# KiCad board IO-SDR_Rev_1.0.kicad_pcb
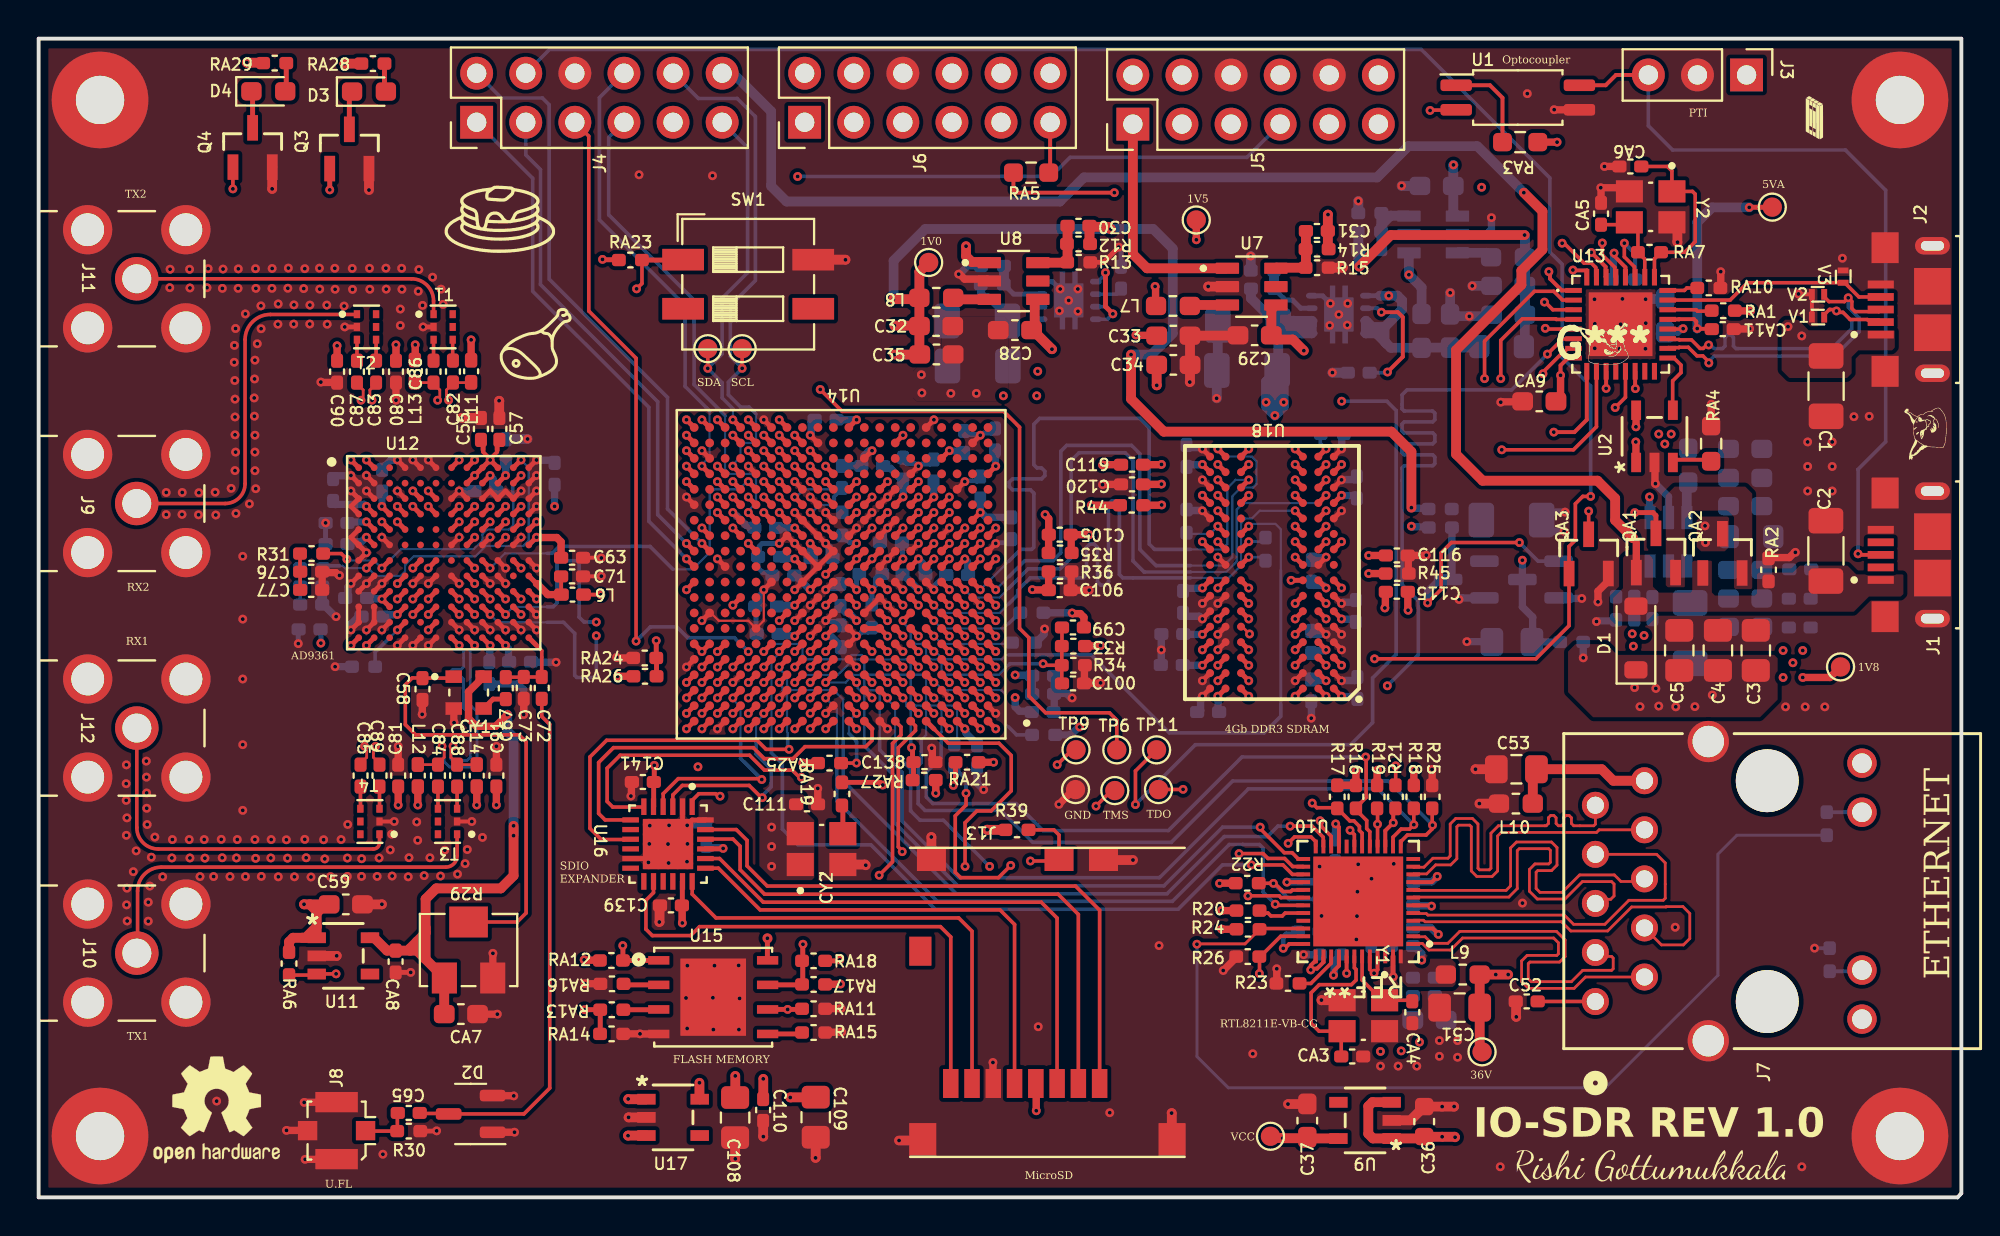
[diagram p0: board, top side]
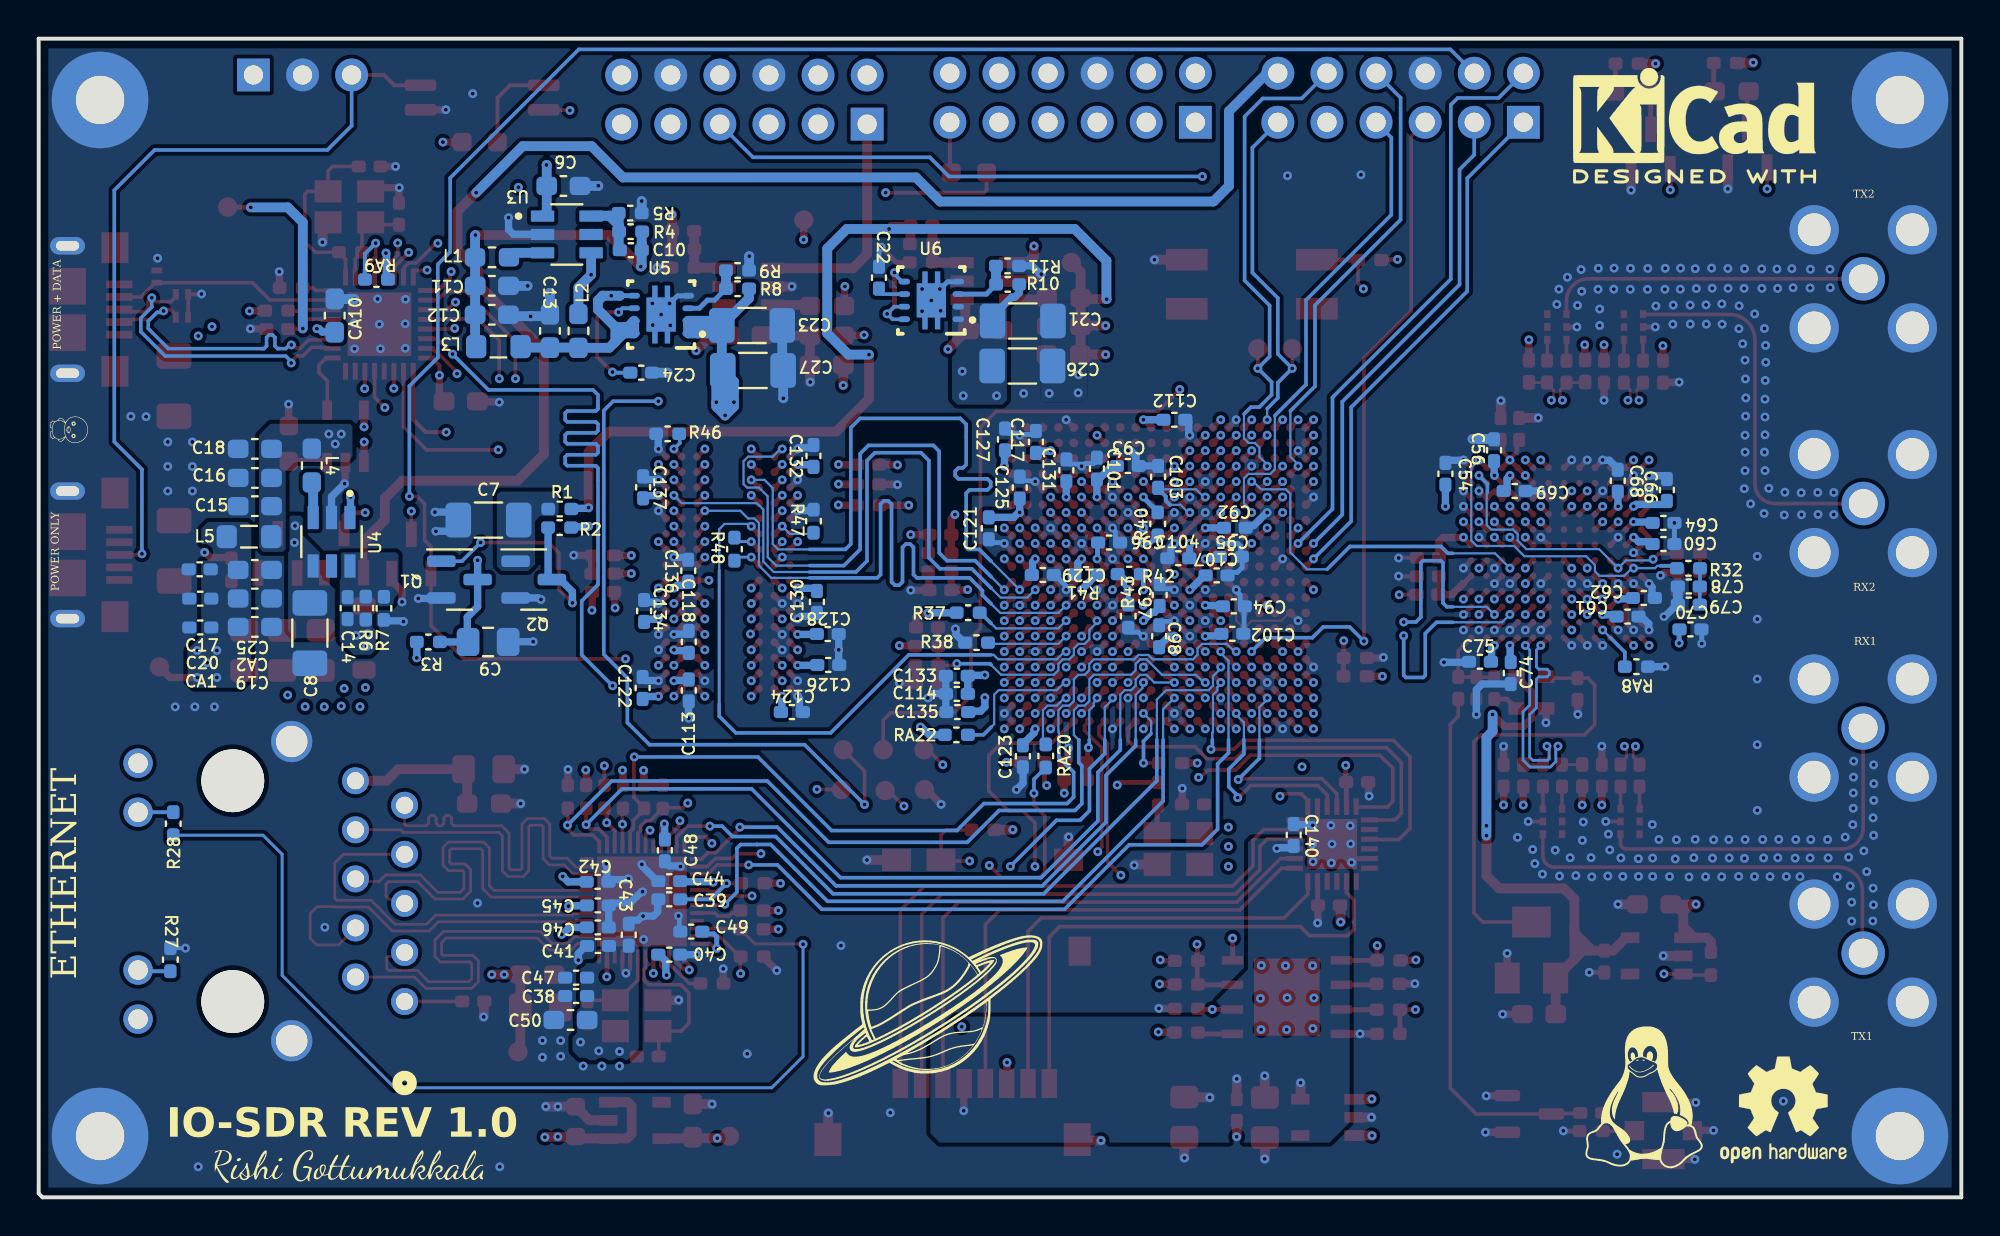
[diagram p1: board, bottom side, seen from below]

Outline 99.46 x 59.98 mm; copper layers: Top.Cu, In1.GND1.Cu, In2_Sig1.Cu, In3_PWR1.Cu, In4PWR2.Cu, In5_Sig2.Cu, In6_GND2.Cu, Bottom.Cu. Coordinates in mm from the lower left corner of the outline.
Outline path: 0,0 0,59.98 99.46,59.98 99.46,0.21 99.27,0 0,0
Stack: Top.Cu 0.0351mm / dielectric 0.1163mm FR4 er 4.1 / In1.GND1.Cu 0.0152mm / dielectric 0.3mm FR4 er 4.6 / In2_Sig1.Cu 0.0152mm / dielectric 0.0765mm FR4 er 4.1 / dielectric 0.0765mm FR4 er 4.5 / In3_PWR1.Cu 0.0152mm / dielectric 0.3mm FR4 er 4.6 / In4PWR2.Cu 0.0152mm / dielectric 0.0765mm FR4 er 4.1 / dielectric 0.0765mm FR4 er 4.5 / In5_Sig2.Cu 0.0152mm / dielectric 0.3mm FR4 er 4.5 / In6_GND2.Cu 0.0152mm / dielectric 0.1163mm FR4 er 4.5 / Bottom.Cu 0.0351mm

## Placement (name value [footprint] x y rotation side)
C1  22uF  [C_1206_3216Metric_Pad1.33x1.80mm_HandSolder]  92.46 41.99 270 top
C2  22uF  [C_1206_3216Metric_Pad1.33x1.80mm_HandSolder]  92.45 33.46 90 top
C3  100uF  [C_0805_2012Metric_Pad1.18x1.45mm_HandSolder]  88.83 28.31 90 top
C4  22uF  [C_0805_2012Metric_Pad1.18x1.45mm_HandSolder]  86.87 28.31 90 top
C5  10uF  [C_0805_2012Metric_Pad1.18x1.45mm_HandSolder]  84.87 28.31 90 top
C6  10uF  [C_0603_1608Metric_Pad1.08x0.95mm_HandSolder]  72.31 52.35 180 bottom
C7  10uF  [C_1206_3216Metric_Pad1.33x1.80mm_HandSolder]  76.19 35.06 0 bottom
C8  10uF  [C_1206_3216Metric_Pad1.33x1.80mm_HandSolder]  85.43 29.21 270 bottom
C9  1uF  [C_0805_2012Metric_Pad1.18x1.45mm_HandSolder]  76.21 28.75 180 bottom
C10  100pF  [C_0402_1005Metric_Pad0.74x0.62mm_HandSolder]  68.83 49.03 0 bottom
C11  10uF  [C_0603_1608Metric_Pad1.08x0.95mm_HandSolder]  76.02 47.18 180 bottom
C12  10uF  [C_0603_1608Metric_Pad1.08x0.95mm_HandSolder]  76.02 45.69 180 bottom
C13  10uF  [C_0603_1608Metric_Pad1.08x0.95mm_HandSolder]  73.01 44.85 90 bottom
C14  100pF  [C_0402_1005Metric_Pad0.74x0.62mm_HandSolder]  83.48 30.5 90 bottom
C15  10uF  [C_0603_1608Metric_Pad1.08x0.95mm_HandSolder]  88.28 35.78 0 bottom
C16  10uF  [C_0603_1608Metric_Pad1.08x0.95mm_HandSolder]  88.28 37.24 0 bottom
C17  0.1uF  [C_0402_1005Metric_Pad0.74x0.62mm_HandSolder]  91.13 32.51 0 bottom
C18  10uF  [C_0603_1608Metric_Pad1.08x0.95mm_HandSolder]  88.28 38.74 0 bottom
C19  10uF  [C_0603_1608Metric_Pad1.08x0.95mm_HandSolder]  88.28 29.53 180 bottom
C20  0.1uF  [C_0402_1005Metric_Pad0.74x0.62mm_HandSolder]  91.1 29.5 0 bottom
C21  47uF  [C_1206_3216Metric_Pad1.33x1.80mm_HandSolder]  48.55 45.36 180 bottom
C22  10nF  [C_0402_1005Metric_Pad0.74x0.62mm_HandSolder]  55.99 47.6 90 bottom
C23  47uF  [C_1206_3216Metric_Pad1.33x1.80mm_HandSolder]  62.56 45.13 180 bottom
C24  10nF  [C_0402_1005Metric_Pad0.74x0.62mm_HandSolder]  68.29 42.69 180 bottom
C25  10uF  [C_0603_1608Metric_Pad1.08x0.95mm_HandSolder]  88.28 32.48 180 bottom
C26  47uF  [C_1206_3216Metric_Pad1.33x1.80mm_HandSolder]  48.57 43.03 180 bottom
C27  47uF  [C_1206_3216Metric_Pad1.33x1.80mm_HandSolder]  62.51 42.8 180 bottom
C28  10uF  [C_0603_1608Metric_Pad1.08x0.95mm_HandSolder]  50.5 44.89 180 top
C29  10uF  [C_0603_1608Metric_Pad1.08x0.95mm_HandSolder]  62.9 44.62 180 top
C30  100pF  [C_0402_1005Metric_Pad0.74x0.62mm_HandSolder]  53.79 50.29 180 top
C31  100pF  [C_0402_1005Metric_Pad0.74x0.62mm_HandSolder]  66.12 50.02 180 top
C32  10uF  [C_0603_1608Metric_Pad1.08x0.95mm_HandSolder]  46.42 45.1 0 top
C33  10uF  [C_0603_1608Metric_Pad1.08x0.95mm_HandSolder]  58.7 44.6 0 top
C34  10uF  [C_0603_1608Metric_Pad1.08x0.95mm_HandSolder]  58.7 43.09 0 top
C35  10uF  [C_0603_1608Metric_Pad1.08x0.95mm_HandSolder]  46.44 43.63 0 top
C36  10uF  [C_0603_1608Metric]  71.67 3.92 90 top
C37  4.7uF  [C_0603_1608Metric_Pad1.08x0.95mm_HandSolder]  65.63 3.97 90 top
C38  0.1uF  [C_0402_1005Metric_Pad0.74x0.62mm_HandSolder]  71.66 10.42 0 bottom
C39  100nF  [C_0402_1005Metric_Pad0.74x0.62mm_HandSolder]  66.84 15.43 0 bottom
C40  0.1uF  [C_0402_1005Metric_Pad0.74x0.62mm_HandSolder]  66.84 12.56 180 bottom
C41  0.1uF  [C_0402_1005Metric_Pad0.74x0.62mm_HandSolder]  70.53 13.01 0 bottom
C42  0.1uF  [C_0402_1005Metric_Pad0.74x0.62mm_HandSolder]  70.55 16.33 180 bottom
C43  0.1uF  [C_0402_1005Metric_Pad0.74x0.62mm_HandSolder]  68.94 13.59 90 bottom
C44  0.1uF  [C_0402_1005Metric_Pad0.74x0.62mm_HandSolder]  66.84 16.37 0 bottom
C45  0.1uF  [C_0402_1005Metric_Pad0.74x0.62mm_HandSolder]  70.54 15.11 180 bottom
C46  0.1uF  [C_0402_1005Metric_Pad0.74x0.62mm_HandSolder]  70.54 13.97 180 bottom
C47  0.1uF  [C_0402_1005Metric_Pad0.74x0.62mm_HandSolder]  71.66 11.37 0 bottom
C48  0.1uF  [C_0402_1005Metric_Pad0.74x0.62mm_HandSolder]  67.07 17.96 270 bottom
C49  0.1uF  [C_0402_1005Metric_Pad0.74x0.62mm_HandSolder]  65.7 13.75 0 bottom
C50  4.7uF  [C_0603_1608Metric_Pad1.08x0.95mm_HandSolder]  71.95 9.18 0 bottom
C51  10uF  [C_0805_2012Metric_Pad1.18x1.45mm_HandSolder]  73.51 9.82 180 top
C52  10nF  [C_0402_1005Metric_Pad0.74x0.62mm_HandSolder]  76.98 10.14 0 top
C53  0.1uF  [C_0805_2012Metric_Pad1.18x1.45mm_HandSolder]  76.44 22.16 0 top
C54  10nF  [C_0402_1005Metric_Pad0.74x0.62mm_HandSolder]  26.69 37.45 90 bottom
C55  10nF  [C_0402_1005Metric_Pad0.74x0.62mm_HandSolder]  22.88 39.78 90 top
C56  1uF  [C_0402_1005Metric_Pad0.74x0.62mm_HandSolder]  24.17 38.67 90 bottom
C57  1uF  [C_0402_1005Metric_Pad0.74x0.62mm_HandSolder]  23.83 39.78 90 top
C58  1uF  [C_0402_1005Metric_Pad0.74x0.62mm_HandSolder]  19.85 26.31 270 top
C59  10uF  [C_0603_1608Metric_Pad1.08x0.95mm_HandSolder]  15.89 15.17 0 top
C60  10nF  [C_0402_1005Metric_Pad0.74x0.62mm_HandSolder]  15.41 33.82 180 bottom
C61  10nF  [C_0402_1005Metric_Pad0.74x0.62mm_HandSolder]  17.27 30.06 180 bottom
C62  1uF  [C_0402_1005Metric_Pad0.74x0.62mm_HandSolder]  16.43 31.03 180 bottom
C63  1uF  [C_0402_1005Metric_Pad0.74x0.62mm_HandSolder]  27.59 33.11 0 top
C64  10nF  [C_0402_1005Metric_Pad0.74x0.62mm_HandSolder]  15.41 34.91 180 bottom
C65  18pF  [C_0402_1005Metric_Pad0.74x0.62mm_HandSolder]  19.14 4.37 180 top
C66  10nF  [C_0402_1005Metric_Pad0.74x0.62mm_HandSolder]  15.23 36.61 90 bottom
C67  18pF  [C_0402_1005Metric_Pad0.74x0.62mm_HandSolder]  24.16 26.36 90 top
C68  1uF  [C_0402_1005Metric_Pad0.74x0.62mm_HandSolder]  17.77 37.1 90 bottom
C69  10nF  [C_0402_1005Metric_Pad0.74x0.62mm_HandSolder]  23.11 36.56 180 bottom
C70  1uF  [C_0402_1005Metric_Pad0.74x0.62mm_HandSolder]  14.01 29.4 180 bottom
C71  10nF  [C_0402_1005Metric_Pad0.74x0.62mm_HandSolder]  27.59 32.14 0 top
C72  18pF  [C_0402_1005Metric_Pad0.74x0.62mm_HandSolder]  26.02 26.37 270 top
C73  18pF  [C_0402_1005Metric_Pad0.74x0.62mm_HandSolder]  25.09 26.37 270 top
C74  10nF  [C_0402_1005Metric_Pad0.74x0.62mm_HandSolder]  23.31 27.14 270 bottom
C75  10nF  [C_0402_1005Metric_Pad0.74x0.62mm_HandSolder]  24.9 27.72 0 bottom
C76  1nF  [C_0402_1005Metric_Pad0.74x0.62mm_HandSolder]  14.1 32.38 180 top
C77  1nF  [C_0402_1005Metric_Pad0.74x0.62mm_HandSolder]  14.1 31.44 180 top
C78  1nF  [C_0402_1005Metric_Pad0.74x0.62mm_HandSolder]  14.1 31.62 180 bottom
C79  1nF  [C_0402_1005Metric_Pad0.74x0.62mm_HandSolder]  14.1 30.68 180 bottom
C80  100nF  [C_0402_1005Metric_Pad0.74x0.62mm_HandSolder]  18.48 42.74 270 top
C81  100nF  [C_0402_1005Metric_Pad0.74x0.62mm_HandSolder]  18.6 21.83 90 top
C82  18pF  [C_0402_1005Metric_Pad0.74x0.62mm_HandSolder]  21.43 42.75 90 top
C83  18pF  [C_0402_1005Metric_Pad0.74x0.62mm_HandSolder]  17.46 42.74 90 top
C84  18pF  [C_0402_1005Metric_Pad0.74x0.62mm_HandSolder]  20.66 21.83 270 top
C85  18pF  [C_0402_1005Metric_Pad0.74x0.62mm_HandSolder]  16.65 21.83 270 top
C86  18pF  [C_0402_1005Metric_Pad0.74x0.62mm_HandSolder]  20.43 42.74 90 top
C87  18pF  [C_0402_1005Metric_Pad0.74x0.62mm_HandSolder]  16.47 42.74 90 top
C88  18pF  [C_0402_1005Metric_Pad0.74x0.62mm_HandSolder]  21.65 21.83 270 top
C89  18pF  [C_0402_1005Metric_Pad0.74x0.62mm_HandSolder]  17.63 21.83 270 top
C90  100nF  [C_0402_1005Metric_Pad0.74x0.62mm_HandSolder]  15.44 42.74 270 top
C91  100nF  [C_0402_1005Metric_Pad0.74x0.62mm_HandSolder]  23.68 21.83 90 top
C92  0.1uF  [C_0402_1005Metric_Pad0.74x0.62mm_HandSolder]  37.59 34.66 180 bottom
C93  0.1uF  [C_0402_1005Metric_Pad0.74x0.62mm_HandSolder]  43.12 37.86 180 bottom
C94  10uF  [C_0402_1005Metric_Pad0.74x0.62mm_HandSolder]  37.64 30.59 180 bottom
C95  10uF  [C_0402_1005Metric_Pad0.74x0.62mm_HandSolder]  37.79 33.16 180 bottom
C96  10uF  [C_0402_1005Metric_Pad0.74x0.62mm_HandSolder]  44.09 33.9 180 bottom
C97  0.1uF  [C_0402_1005Metric_Pad0.74x0.62mm_HandSolder]  41.47 31.18 90 bottom
C98  0.1uF  [C_0402_1005Metric_Pad0.74x0.62mm_HandSolder]  41.5 29.05 90 bottom
C99  100nF  [C_0402_1005Metric_Pad0.74x0.62mm_HandSolder]  53.5 29.5 180 top
C100  100nF  [C_0402_1005Metric_Pad0.74x0.62mm_HandSolder]  53.5 26.6 0 top
C101  0.1uF  [C_0402_1005Metric_Pad0.74x0.62mm_HandSolder]  44.72 37.72 90 bottom
C102  0.1uF  [C_0402_1005Metric_Pad0.74x0.62mm_HandSolder]  37.71 29.17 180 bottom
C103  0.1uF  [C_0402_1005Metric_Pad0.74x0.62mm_HandSolder]  41.55 37.3 90 bottom
C104  0.1uF  [C_0402_1005Metric_Pad0.74x0.62mm_HandSolder]  40.51 33.08 0 bottom
C105  100nF  [C_0402_1005Metric_Pad0.74x0.62mm_HandSolder]  52.82 34.3 180 top
C106  100nF  [C_0402_1005Metric_Pad0.74x0.62mm_HandSolder]  52.82 31.43 0 top
C107  0.1uF  [C_0402_1005Metric_Pad0.74x0.62mm_HandSolder]  38.52 32.19 180 bottom
C108  10uF  [C_0805_2012Metric_Pad1.18x1.45mm_HandSolder]  36.03 4.13 270 top
C109  10uF  [C_0805_2012Metric_Pad1.18x1.45mm_HandSolder]  40.2 4.15 270 top
C110  100nF  [C_0402_1005Metric_Pad0.74x0.62mm_HandSolder]  37.48 4.52 270 top
C111  1uF  [C_0402_1005Metric_Pad0.74x0.62mm_HandSolder]  39.75 20.34 0 top
C112  1uF  [C_0402_1005Metric_Pad0.74x0.62mm_HandSolder]  40.71 40.25 180 bottom
C113  10uF  [C_0402_1005Metric_Pad0.74x0.62mm_HandSolder]  65.83 26.24 270 bottom
C114  1uF  [C_0402_1005Metric_Pad0.74x0.62mm_HandSolder]  51.96 26.06 0 bottom
C115  100nF  [C_0402_1005Metric_Pad0.74x0.62mm_HandSolder]  70.26 31.35 180 top
C116  100nF  [C_0402_1005Metric_Pad0.74x0.62mm_HandSolder]  70.26 33.23 0 top
C117  10nF  [C_0402_1005Metric_Pad0.74x0.62mm_HandSolder]  47.87 39.1 90 bottom
C118  1uF  [C_0402_1005Metric_Pad0.74x0.62mm_HandSolder]  65.83 28.75 90 bottom
C119  100pF  [C_0402_1005Metric_Pad0.74x0.62mm_HandSolder]  56.56 37.93 0 top
C120  100pF  [C_0402_1005Metric_Pad0.74x0.62mm_HandSolder]  56.56 36.91 180 top
C121  10nF  [C_0402_1005Metric_Pad0.74x0.62mm_HandSolder]  50.31 34.63 270 bottom
C122  10nF  [C_0402_1005Metric_Pad0.74x0.62mm_HandSolder]  68.22 26.37 90 bottom
C123  10nF  [C_0402_1005Metric_Pad0.74x0.62mm_HandSolder]  48.55 22.83 270 bottom
C124  10nF  [C_0402_1005Metric_Pad0.74x0.62mm_HandSolder]  60.5 25.12 180 bottom
C125  10nF  [C_0402_1005Metric_Pad0.74x0.62mm_HandSolder]  48.71 36.74 90 bottom
C126  10nF  [C_0402_1005Metric_Pad0.74x0.62mm_HandSolder]  58.62 27.56 180 bottom
C127  10nF  [C_0402_1005Metric_Pad0.74x0.62mm_HandSolder]  49.47 39.23 90 bottom
C128  10nF  [C_0402_1005Metric_Pad0.74x0.62mm_HandSolder]  58.64 29.16 180 bottom
C129  10nF  [C_0402_1005Metric_Pad0.74x0.62mm_HandSolder]  47.52 32.22 180 bottom
C130  10nF  [C_0402_1005Metric_Pad0.74x0.62mm_HandSolder]  59.2 30.82 270 bottom
C131  10nF  [C_0402_1005Metric_Pad0.74x0.62mm_HandSolder]  46.3 37.63 90 bottom
C132  10nF  [C_0402_1005Metric_Pad0.74x0.62mm_HandSolder]  59.38 38.38 90 bottom
C133  10nF  [C_0402_1005Metric_Pad0.74x0.62mm_HandSolder]  51.96 27 0 bottom
C134  10nF  [C_0402_1005Metric_Pad0.74x0.62mm_HandSolder]  68.14 30.35 90 bottom
C135  10uF  [C_0402_1005Metric_Pad0.74x0.62mm_HandSolder]  51.94 25.12 0 bottom
C136  10nF  [C_0402_1005Metric_Pad0.74x0.62mm_HandSolder]  65.86 32.44 90 bottom
C137  10nF  [C_0402_1005Metric_Pad0.74x0.62mm_HandSolder]  68.19 36.75 90 bottom
C138  0.1uF  [C_0402_1005Metric_Pad0.74x0.62mm_HandSolder]  45.82 22.53 0 top
C139  100nF  [C_0402_1005Metric_Pad0.74x0.62mm_HandSolder]  32.71 15.11 180 top
C140  100nF  [C_0402_1005Metric_Pad0.74x0.62mm_HandSolder]  34.54 18.76 90 bottom
C141  100nF  [C_0402_1005Metric_Pad0.74x0.62mm_HandSolder]  31.26 21.5 180 top
CA1  0.1uF  [C_0402_1005Metric_Pad0.74x0.62mm_HandSolder]  91.1 30.99 0 bottom
CA2  10uF  [C_0603_1608Metric_Pad1.08x0.95mm_HandSolder]  88.28 31 180 bottom
CA3  12pF  [C_0402_1005Metric_Pad0.74x0.62mm_HandSolder]  67.95 7.29 0 top
CA4  12pF  [C_0402_1005Metric_Pad0.74x0.62mm_HandSolder]  71.06 9.58 270 top
CA5  18pF  [C_0402_1005Metric_Pad0.74x0.62mm_HandSolder]  80.82 50.92 90 top
CA6  18pF  [C_0402_1005Metric_Pad0.74x0.62mm_HandSolder]  82.34 53.36 180 top
CA7  10uF  [C_0603_1608Metric_Pad1.08x0.95mm_HandSolder]  21.84 9.49 0 top
CA8  0.1uF  [C_0402_1005Metric_Pad0.74x0.62mm_HandSolder]  18.46 12.21 270 top
CA9  10uF  [C_0603_1608Metric_Pad1.08x0.95mm_HandSolder]  77.63 41.2 0 top
CA10  4.7uF  [C_0603_1608Metric_Pad1.08x0.95mm_HandSolder]  84.14 45.64 270 bottom
CA11  0.1uF  [C_0402_1005Metric_Pad0.74x0.62mm_HandSolder]  87.12 44.94 180 top
CY1  ASDMB-33.333MHZ-LC-T  [XTAL_ASDMB-33.333MHZ-LC-T]  22.24 26.13 0 top
CY2  33.333MHz  [XTAL_ABM8AIG-25.000MHZ-12-2Z-T3]  40.5 18.03 90 top
D1  SUPK24  [D_SOD-123]  82.63 28.96 90 top
D2  SUP5522F  [SOT-23-3]  22.35 4.32 180 top
D3  LED6  [LED_0603_1608Metric_Pad1.05x0.95mm_HandSolder]  17.09 57.24 0 top
D4  LED6  [LED_0603_1608Metric_Pad1.05x0.95mm_HandSolder]  11.88 57.25 0 top
G***  LOGO  [TARS]  91.86 55.88 0 top
G***#2  LOGO  [signature5]  83.41 1.53 0 top
G***#3  LOGO  [ham]  25.71 44.13 0 top
G***#4  LOGO  [floppa]  97.61 39.53 90 top
G***#5  LOGO  [floppa]  80.91 44.18 0 top
G***#6  LOGO  [pancakes]  23.86 50.63 0 top
G***#7  LOGO  [signature5]  83.41 1.53 180 bottom
G***#8  LOGO  [duck]  98.11 39.73 270 bottom
G***#9  LOGO  [tux2]  16.41 5.18 180 bottom
G***#10  LOGO  [saturn]  53.46 9.79 180 bottom
H1  MountingHole_Pad  [MountingHole_2.5mm_Pad]  3.17 56.8 0 top
H2  MountingHole_Pad  [MountingHole_2.5mm_Pad]  3.17 3.17 0 top
H3  MountingHole_Pad  [MountingHole_2.5mm_Pad]  96.28 56.8 0 top
H4  MountingHole_Pad  [MountingHole_2.5mm_Pad]  96.28 3.17 0 top
J1  10118193-0001LF  [AMPHENOL_10118193-0001LF]  97.97 33.26 90 top
J2  10118193-0001LF  [AMPHENOL_10118193-0001LF]  97.97 45.96 90 top
J3  Conn_01x03_Shielded  [PinHeader_1x03_P2.54mm_Vertical]  88.35 58.1 270 top
J4  CON12-254  [PinHeader_2x06_P2.54mm_Vertical]  22.66 55.65 90 top
J5  CON12-254  [PinHeader_2x06_P2.54mm_Vertical]  56.6 55.55 90 top
J6  CON12-254  [PinHeader_2x06_P2.54mm_Vertical]  39.62 55.65 90 top
J7  HR911130A1  [HR911130A_HAN]  80.53 10.14 90 top
J8  73412-0110  [U.FL_Molex_MCRF_73412-0110_Vertical]  15.41 3.45 90 top
J9  RF2-49B-T-00-50-G-HDW  [ADAMTECH_RF2-49B-T-00-50-G-HDW]  5.07 35.92 270 top
J10  RF2-49B-T-00-50-G-HDW  [ADAMTECH_RF2-49B-T-00-50-G-HDW]  5.08 12.64 270 top
J11  RF2-49B-T-00-50-G-HDW  [ADAMTECH_RF2-49B-T-00-50-G-HDW]  5.07 47.55 270 top
J12  RF2-49B-T-00-50-G-HDW  [ADAMTECH_RF2-49B-T-00-50-G-HDW]  5.08 24.29 270 top
J13  502570-0893  [MOLEX_502570-0893]  52.18 10.09 180 top
L1  2.2uH  [L_0603_1608Metric_Pad1.05x0.95mm_HandSolder]  76.01 48.66 0 bottom
L2  R0603  [L_0603_1608Metric_Pad1.05x0.95mm_HandSolder]  71.54 44.85 270 bottom
L3  R0805  [L_0805_2012Metric_Pad1.05x1.20mm_HandSolder]  75.68 44.04 180 bottom
L4  2.2uH  [L_0603_1608Metric_Pad1.05x0.95mm_HandSolder]  85.33 37.88 90 bottom
L5  R0805  [L_0805_2012Metric_Pad1.05x1.20mm_HandSolder]  88.58 34.2 0 bottom
L6  R0402  [L_0402_1005Metric_Pad0.77x0.64mm_HandSolder]  27.61 31.2 180 top
L7  2.2uH  [L_0603_1608Metric_Pad1.05x0.95mm_HandSolder]  58.68 46.14 180 top
L8  2.2uH  [L_0603_1608Metric_Pad1.05x0.95mm_HandSolder]  46.43 46.56 180 top
L9  2.2uH  [L_0603_1608Metric_Pad1.05x0.95mm_HandSolder]  73.67 11.53 0 top
L10  BLM18PG181SN1  [L_0603_1608Metric_Pad1.05x0.95mm_HandSolder]  76.42 20.38 0 top
L11  330nH  [L_0402_1005Metric_Pad0.77x0.64mm_HandSolder]  22.37 42.76 90 top
L12  330nF  [L_0402_1005Metric_Pad0.77x0.64mm_HandSolder]  19.61 21.83 270 top
L13  330nH  [L_0402_1005Metric_Pad0.77x0.64mm_HandSolder]  19.46 42.77 90 top
L14  330nF  [L_0402_1005Metric_Pad0.77x0.64mm_HandSolder]  22.66 21.83 270 top
Q1  S8050  [SOT-23]  77.69 31.98 180 bottom
Q2  S8050  [SOT-23]  73.85 31.98 180 bottom
Q3  ~  [SOT23 MOSFET FOOT PRINT]  16.07 54.27 90 top
Q4  ~  [SOT23 MOSFET FOOT PRINT]  11.07 54.35 90 top
QA1  -  [HR8031GS6]  83.66 33.36 90 top
QA2  -  [HR8031GS6]  87.1 33.34 90 top
QA3  -  [HR8031GS6]  80.18 33.31 90 top
R1  33R  [R_0402_1005Metric_Pad0.72x0.64mm_HandSolder]  72.5 35.63 0 bottom
R2  10K  [R_0402_1005Metric_Pad0.72x0.64mm_HandSolder]  72.51 34.67 0 bottom
R3  10K  [R_0402_1005Metric_Pad0.72x0.64mm_HandSolder]  79.3 28.75 180 bottom
R4  7.5K  [R_0402_1005Metric_Pad0.72x0.64mm_HandSolder]  68.84 49.99 0 bottom
R5  2K  [R_0402_1005Metric_Pad0.72x0.64mm_HandSolder]  68.86 50.95 180 bottom
R6  20K  [R_0402_1005Metric_Pad0.72x0.64mm_HandSolder]  82.54 30.5 90 bottom
R7  10K  [R_0402_1005Metric_Pad0.72x0.64mm_HandSolder]  81.6 30.49 270 bottom
R8  7.5K  [R_0402_1005Metric_Pad0.72x0.64mm_HandSolder]  63.31 47.03 0 bottom
R9  12K  [R_0402_1005Metric_Pad0.72x0.64mm_HandSolder]  63.31 47.98 180 bottom
R10  7.5K  [R_0402_1005Metric_Pad0.72x0.64mm_HandSolder]  49.33 47.26 0 bottom
R11  12K  [R_0402_1005Metric_Pad0.72x0.64mm_HandSolder]  49.34 48.21 180 bottom
R12  3.3K  [R_0402_1005Metric_Pad0.72x0.64mm_HandSolder]  53.79 49.35 180 top
R13  4.7K  [R_0402_1005Metric_Pad0.72x0.64mm_HandSolder]  53.8 48.4 0 top
R14  15K  [R_0402_1005Metric_Pad0.72x0.64mm_HandSolder]  66.13 49.08 180 top
R15  10K  [R_0402_1005Metric_Pad0.72x0.64mm_HandSolder]  66.13 48.12 0 top
R16  4K7  [R_0402_1005Metric_Pad0.72x0.64mm_HandSolder]  68.14 20.73 270 top
R17  4K7  [R_0402_1005Metric_Pad0.72x0.64mm_HandSolder]  67.18 20.73 270 top
R18  4K7  [R_0402_1005Metric_Pad0.72x0.64mm_HandSolder]  71.14 20.73 270 top
R19  4K7  [R_0402_1005Metric_Pad0.72x0.64mm_HandSolder]  69.24 20.73 270 top
R20  4K7  [R_0402_1005Metric_Pad0.72x0.64mm_HandSolder]  62.56 14.84 0 top
R21  1K5  [R_0402_1005Metric_Pad0.72x0.64mm_HandSolder]  70.19 20.73 90 top
R22  10K  [R_0402_1005Metric_Pad0.72x0.64mm_HandSolder]  62.52 16.26 180 top
R23  2.49K%1  [R_0402_1005Metric_Pad0.72x0.64mm_HandSolder]  64.63 11.07 0 top
R24  4K7  [R_0402_1005Metric_Pad0.72x0.64mm_HandSolder]  62.56 13.88 0 top
R25  4K7  [R_0402_1005Metric_Pad0.72x0.64mm_HandSolder]  72.09 20.73 270 top
R26  4K7  [R_0402_1005Metric_Pad0.72x0.64mm_HandSolder]  62.55 12.46 0 top
R27  510R R0402 5%  [R_0402_1005Metric_Pad0.72x0.64mm_HandSolder]  92.65 12.3 90 bottom
R28  510R R0402 5%  [R_0402_1005Metric_Pad0.72x0.64mm_HandSolder]  92.5 19.34 270 bottom
R29  50K  [Potentiometer_Bourns_3214W_Vertical]  22.24 12.8 180 top
R30  ESD  [R_0402_1005Metric_Pad0.72x0.64mm_HandSolder]  19.14 3.43 0 top
R31  1R  [R_0402_1005Metric_Pad0.72x0.64mm_HandSolder]  14.12 33.32 0 top
R32  1R  [R_0402_1005Metric_Pad0.72x0.64mm_HandSolder]  14.12 32.56 0 bottom
R33  2.4K  [R_0402_1005Metric_Pad0.72x0.64mm_HandSolder]  53.52 28.53 180 top
R34  2.4K  [R_0402_1005Metric_Pad0.72x0.64mm_HandSolder]  53.52 27.54 0 top
R35  2.4K  [R_0402_1005Metric_Pad0.72x0.64mm_HandSolder]  52.84 33.36 180 top
R36  2.4K  [R_0402_1005Metric_Pad0.72x0.64mm_HandSolder]  52.84 32.4 0 top
R37  80.5R  [R_0402_1005Metric_Pad0.72x0.64mm_HandSolder]  51.38 30.26 0 bottom
R38  80.5R  [R_0402_1005Metric_Pad0.72x0.64mm_HandSolder]  50.95 28.71 0 bottom
R39  4.7K  [R_0402_1005Metric_Pad0.72x0.64mm_HandSolder]  50.61 19.02 0 top
R40  4.7K  [R_0402_1005Metric_Pad0.72x0.64mm_HandSolder]  41.57 34.86 270 bottom
R41  4.7K  [R_0402_1005Metric_Pad0.72x0.64mm_HandSolder]  45.28 32.25 180 bottom
R42  4.7K  [R_0402_1005Metric_Pad0.72x0.64mm_HandSolder]  43.05 32.26 0 bottom
R43  4.7K  [R_0402_1005Metric_Pad0.72x0.64mm_HandSolder]  43.1 30.09 270 bottom
R44  2.4K  [R_0402_1005Metric_Pad0.72x0.64mm_HandSolder]  56.54 35.83 0 top
R45  2.4K  [R_0402_1005Metric_Pad0.72x0.64mm_HandSolder]  70.28 32.29 0 top
R46  4.7K  [R_0402_1005Metric_Pad0.72x0.64mm_HandSolder]  66.92 39.52 0 bottom
R47  240R  [R_0402_1005Metric_Pad0.72x0.64mm_HandSolder]  59.38 35 90 bottom
R48  80.5R  [R_0402_1005Metric_Pad0.72x0.64mm_HandSolder]  63.47 33.55 90 bottom
RA1  2.4K  [R_0402_1005Metric_Pad0.72x0.64mm_HandSolder]  87.14 45.9 0 top
RA2  2.4K  [R_0402_1005Metric_Pad0.72x0.64mm_HandSolder]  89.49 32.48 90 top
RA3  4.7K  [R_0603_1608Metric_Pad0.98x0.95mm_HandSolder]  76.64 54.62 180 top
RA4  5.1K  [R_0603_1608Metric_Pad0.98x0.95mm_HandSolder]  86.52 39.02 90 top
RA5  0R  [R_0603_1608Metric_Pad0.98x0.95mm_HandSolder]  51.34 53.04 0 top
RA6  10K  [R_0402_1005Metric_Pad0.72x0.64mm_HandSolder]  12.95 12.1 270 top
RA7  1M  [R_0402_1005Metric_Pad0.72x0.64mm_HandSolder]  83.33 48.92 0 top